# Allegro board RK3588S_Tablet_Demo_LP4XD200P232SD10H2_V11_20220218.brd (continued)
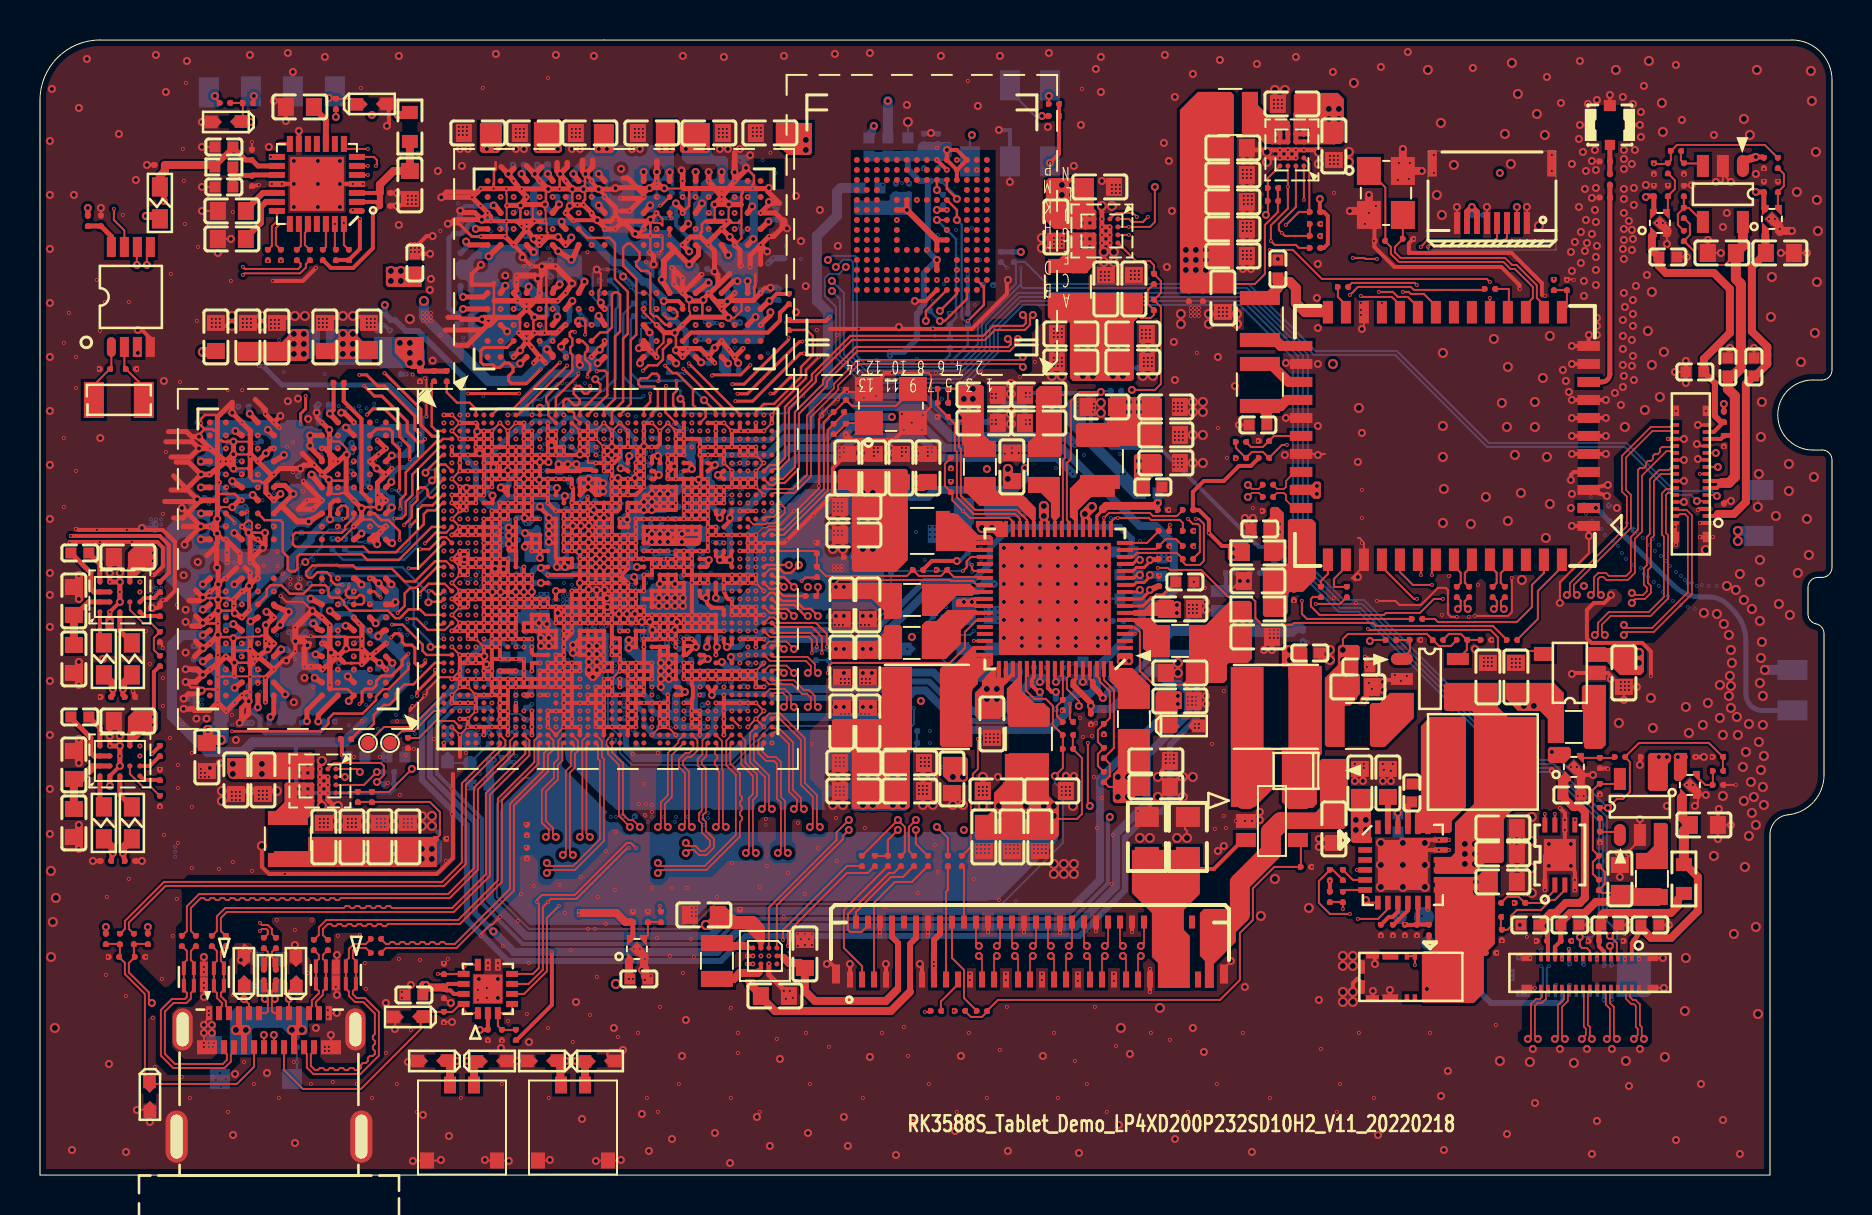
[diagram p0: board, top side]
## Routing (per net, layer and track width the routed paths; a pad name or vN(x,y) marks a point on that pad's centre or on a via; arc(x,y) is an arc through that point) (continued)
DDR_CH1_DQ0_C: length 9.4
  S03 w0.079: v1(27.79,37.6) 27.6,37.6 27.38,37.82 27.38,38.06 27.57,38.25 27.57,38.36 27.49,38.44 27.2,38.44 25.47,40.16 25.47,40.35 25.24,40.58 24.95,40.58 24.89,40.52 24.43,40.52 24.32,40.63 24.32,40.81 24.24,40.89 23.88,40.89 23.81,40.82 23.64,40.82 23.45,41.01 23.45,41.12 24,41.67 24,41.78 23.82,41.96 23.59,41.96 23.44,41.82 23.44,41.49 23.3,41.35 23.12,41.35 23.04,41.43 v1(23.04,41.67)
DDR_CH1_DQ0_D: length 12.8
  S03 w0.079: v1(29.39,38) 29.41,38.02 29.41,39.42 v2(29.46,39.46) ; v2(33.71,40.86) 33.75,40.89 34.37,40.89 35.13,41.65 v1(35.38,41.65)
  S08 w0.079: v2(29.46,39.46) 28.78,39.46 28.65,39.33 28.65,37.88 28.85,37.68 29.49,37.68 29.88,38.08 31.33,38.08 31.57,38.31 32.08,38.31 33.39,39.63 33.39,40.27 33.39,40.28 33.39,40.53 v2(33.71,40.86)
DDR_CH1_DQ1_C: length 12.1
  TOP w0.152: U3801.C2 23.35,41.38 22.2,41.38 22.04,41.22 22.04,40.64 22.17,40.51 22.65,40.51 22.78,40.38 22.99,40.38 23.22,40.6 23.44,40.6 23.65,40.39 23.65,40.17 23.43,39.94 23.43,39.73 23.57,39.58 24.33,39.58 v1(25.03,40.28)
  S03 w0.079: v1(25.03,40.28) 25.03,40.24 27.12,38.15 27.12,37.71 27.57,37.26 27.57,36.71 27.79,36.49 v1(27.79,36.4)
DDR_CH1_DQ1_D: length 12.9
  S03 w0.079: v1(29.79,37.2) v2(29.79,37.5) ; v1(34.73,41.7) 34.26,41.23 v2(34.23,41.23)
  S08 w0.079: v2(29.79,37.5) 30.11,37.82 31.46,37.82 31.63,37.99 33.01,37.99 33.09,38.07 33.09,38.16 33.17,38.24 33.33,38.24 33.41,38.16 33.41,38.07 33.49,37.99 34.27,37.99 34.35,38.07 34.35,38.24 34.27,38.31 33.68,38.31 33.6,38.39 33.6,38.55 33.68,38.63 34.27,38.63 34.35,38.71 34.35,38.87 34.27,38.94 33.55,38.94 33.47,39.02 33.47,39.18 33.55,39.26 34.27,39.26 34.35,39.34 34.35,39.5 34.27,39.57 34.01,39.57 33.93,39.65 33.93,39.81 34.01,39.89 34.21,39.89 34.29,39.97 34.29,40.15 34.09,40.35 34.09,41.09 v2(34.23,41.23)
DDR_CH1_DQ2_C: length 8.2
  S03 w0.079: v1(24.98,41.67) 24.97,41.65 24.4,41.65 24.33,41.57 24.33,41.37 24.4,41.29 24.89,41.29 25.99,40.2 v2(25.99,40.13) ; v2(26.85,39.47) 26.85,39.09 27.25,38.69 27.63,38.69 27.89,38.44 27.89,38.09 v1(27.79,38)
  S08 w0.079: v2(25.99,40.13) 25.76,40.36 25.65,40.36 25.36,40.06 25.36,39.95 26.12,39.19 26.35,39.19 26.64,39.47 v2(26.85,39.47)
DDR_CH1_DQ2_D: length 12
  S03 w0.079: v2(33.05,40.13) 33.37,40.45 33.37,41.62 v1(33.43,41.68) ; v1(29.39,37.6) 29.39,37.66 29.73,38 v2(29.73,38.68)
  S08 w0.079: v2(33.05,40.13) 33.05,39.79 32.98,39.71 32.17,39.71 31.99,39.89 31.88,39.89 31.77,39.78 31.77,39.67 32.03,39.41 32.03,39.3 31.92,39.19 31.81,39.19 31.67,39.32 31.56,39.32 31.45,39.21 31.45,39.09 31.58,38.96 31.58,38.71 31.21,38.33 29.78,38.33 29.38,37.93 28.99,37.93 28.91,38.01 28.91,38.29 28.99,38.37 29.08,38.37 29.16,38.45 29.16,38.6 29.08,38.68 28.99,38.68 28.91,38.76 28.91,39.08 28.99,39.16 29.26,39.16 v2(29.73,38.68)
DDR_CH1_DQ3_C: length 9.8
  S03 w0.079: v2(27.39,36.4) 27.39,36.4 v1(27.79,36) ; v2(25.74,40.98) 25.73,40.99 25.73,41.61 v1(25.63,41.7)
  S08 w0.079: v2(25.74,40.98) 26.5,40.22 26.74,40.22 27.19,39.77 27.19,39.39 27.25,39.33 27.25,39.18 27.17,39.11 26.69,39.11 26.62,39.03 26.62,38.87 26.69,38.79 27.17,38.79 27.25,38.71 27.25,38.55 27.17,38.48 26.69,38.48 26.62,38.4 26.62,38.24 26.69,38.16 27.17,38.16 27.25,38.08 27.25,37.97 26.62,37.34 26.62,36.53 26.79,36.36 27.35,36.36 v2(27.39,36.4)
DDR_CH1_DQ3_D: length 10.6
  S03 w0.079: v2(33.01,41.36) 32.78,41.59 v1(32.78,41.7) ; v2(31.09,38.69) 31.09,38.1 v1(30.99,38)
  S08 w0.079: v2(31.09,38.69) 31.09,39.2 31.43,39.54 31.43,40.14 31.5,40.22 31.95,40.22 32.2,40.47 32.2,40.82 32.13,40.9 31.52,40.9 31.43,41 31.43,41.43 31.5,41.51 31.62,41.51 31.7,41.59 31.7,41.72 31.62,41.8 31.38,41.8 31.19,41.99 31.19,42.54 31.42,42.76 32,42.76 32.09,42.67 32.09,42 32.17,41.92 32.34,41.92 32.42,41.84 32.42,41.69 32.34,41.61 32.26,41.61 32.18,41.53 32.18,41.32 32.26,41.24 32.47,41.24 32.59,41.36 v2(33.01,41.36)
DDR_CH1_DQ4_C: length 12.6
  S03 w0.079: v1(25.63,43.3) 25.56,43.3 25.4,43.46 25.27,43.46 25.09,43.65 24.58,43.65 24.18,44.05 22.58,44.05 22.3,43.77 22.3,43.11 22.52,42.89 22.52,41.21 23.73,40.01 24.54,40.01 26.55,37.99 26.55,37.24 v1(26.59,37.2)
DDR_CH1_DQ4_D: length 13.1
  S03 w0.079: v1(29.79,36.8) 29.92,36.93 v2(30.1,36.93) ; v1(32.78,43.3) 32.76,43.28 v2(32.48,43.28)
  S08 w0.079: v2(30.1,36.93) 29.85,36.93 29.53,37.26 28.83,37.26 28.39,37.69 28.39,39.72 28.47,39.8 28.95,39.8 29.03,39.88 29.03,40.03 28.95,40.11 28.47,40.11 28.39,40.19 28.39,40.58 28.57,40.76 28.68,40.76 29.01,40.43 29.12,40.43 29.23,40.54 29.23,40.66 28.91,40.98 28.91,41.09 29.34,41.53 29.34,41.8 30.05,42.5 30.43,42.5 31.2,43.28 v2(32.48,43.28)
DDR_CH1_DQ5_C: length 8.9
  S03 w0.079: v2(25.76,37.59) 25.81,37.59 v1(26.19,37.2) ; v2(25.2,43.09) v1(24.98,43.3)
  S08 w0.079: v2(25.76,37.59) 26.24,38.06 26.24,38.69 24.35,40.58 24.35,41.2 24.44,41.3 24.85,41.3 25.19,41.65 25.73,41.65 25.92,41.84 25.92,42.36 v2(25.2,43.09)
DDR_CH1_DQ5_D: length 11.6
  S03 w0.079: v1(30.99,37.6) 30.23,38.36 30.23,39.33 30.05,39.52 v2(30.05,39.71) ; v2(33.64,43.56) v1(33.43,43.35)
  S08 w0.079: v2(33.64,43.56) 33.67,43.59 33.67,43.76 33.28,44.15 32.97,44.15 32.83,44.02 32.83,43.53 32.97,43.39 32.97,43.14 32.71,42.88 32.39,42.88 32.25,43.02 31.31,43.02 30.93,42.64 30.93,42 30.71,41.77 29.82,41.77 29.6,41.55 29.6,40.45 30.05,40 v2(30.05,39.71)
DDR_CH1_DQ6_C: length 11.1
  S03 w0.079: v1(26.59,36.8) 26.81,37.02 26.81,38.1 24.65,40.26 23.84,40.26 22.78,41.32 22.78,42.48 23.28,42.98 23.28,43.69 23.36,43.77 24,43.77 24.08,43.69 24.08,43.28 24,43.2 23.78,43.2 v1(23.68,43.3)
DDR_CH1_DQ6_D: length 13.4
  TOP w0.152: v1(33.6,39.96) 33.64,40.01 35.03,40.01 v1(35.52,40.5)
  S03 w0.079: v1(30.59,37.2) 30.77,37.38 31.08,37.38 31.32,37.61 31.32,37.8 31.44,37.93 31.44,38.95 32.28,39.79 33.43,39.79 v1(33.6,39.96) ; v1(34.77,43.33) 34.71,43.27 34.24,43.27 34.05,43.45 34.05,43.97 34.2,44.12 34.51,44.12 35.12,43.51 35.12,42.76 36.09,41.79 36.09,41.03 35.57,40.5 v1(35.52,40.5)
DDR_CH1_DQ7_C: length 11.3
  S03 w0.079: v2(26.11,36.51) 26.19,36.59 v1(26.19,36.8) ; v1(23.03,43.3) 22.87,43.14 v2(22.76,43.14)
  S08 w0.079: v2(26.11,36.51) 25.55,37.06 22.43,37.06 21.89,37.6 21.89,37.81 21.79,37.91 21.79,41.74 22.76,42.71 v2(22.76,43.14)
DDR_CH1_DQ7_D: length 12.8
  S03 w0.079: v1(31.39,37.2) 31.39,37.28 31.57,37.45 31.57,37.68 31.7,37.81 31.7,38.94 32.33,39.57 33.58,39.57 34.24,40.24 35.73,40.24 36.49,41.01 36.49,41.75 36.03,42.21 36.03,42.65 36.15,42.77 36.15,43.92 35.95,44.12 35.62,44.12 35.54,44.04 35.54,43.88 35.62,43.8 35.81,43.8 35.89,43.73 35.89,43.38 35.81,43.3 v1(35.38,43.3)
DDR_CH1_DQ8_C: length 15.7
  S03 w0.079: v1(23.03,48.9) 22.64,48.9 20.17,46.43 20.17,42.73 20.77,42.12 20.77,40.62 21.2,40.2 21.2,39.67 21.85,39.01 21.85,37.87 22.01,37.71 22.01,37.48 22.45,37.04 23.56,37.04 v1(23.79,36.8)
DDR_CH1_DQ8_D: length 17.2
  TOP w0.152: v1(37.66,39.89) 37.51,39.89 36.69,39.07 v1(36.52,39.07)
  S03 w0.079: v1(37.66,39.89) 37.84,39.89 38.91,40.95 38.91,44.39 38.2,45.1 38.2,46.03 37.03,47.2 37.03,48.01 36.8,48.24 36.63,48.24 36.36,48.24 35.69,48.9 v1(35.38,48.9) ; v1(36.52,39.07) 36.01,39.07 35.54,38.6 35.33,38.6 34.31,37.58 34.04,37.58 33.79,37.33 33.79,37.2 v1(33.39,36.8)
DDR_CH1_DQ9_C: length 15.2
  S03 w0.079: v1(23.68,48.9) 22.81,48.03 22.81,47.68 20.68,45.55 20.68,45.38 20.76,45.31 20.82,45.31 20.9,45.23 20.9,45.07 20.82,44.99 20.76,44.99 20.68,44.91 20.68,44.75 20.76,44.68 20.82,44.68 20.9,44.6 20.9,44.44 20.82,44.36 20.76,44.36 20.68,44.28 20.68,42.97 21.75,41.9 21.75,40.89 21.96,40.68 21.96,39.77 22.41,39.33 22.93,39.33 23.19,39.07 23.64,39.07 24.23,38.48 24.23,38.03 24.59,37.67 v1(24.59,37.6)
DDR_CH1_DQ9_D: length 20.4
  S03 w0.064: v2(31.7,36.73) 31.62,36.8 v1(31.39,36.8)
  S03 w0.079: v2(34.96,48.67) v1(34.73,48.9)
  S08 w0.079: v2(31.7,36.73) 31.7,36.72 32.24,36.72 32.84,37.32 34.08,37.32 34.53,36.88 36.74,36.88 37.86,38 37.86,38.25 38.49,38.89 38.49,40.1 38.89,40.5 38.89,44.33 34.96,48.25 v2(34.96,48.67)
DDR_CH1_DQ10_C: length 18.3
  TOP w0.152: v1(23.95,39.07) v1(21.41,39.07)
  S03 w0.079: v1(23.95,39.07) 24.46,38.57 24.46,38.14 v1(24.59,38) ; v1(21.41,39.07) 20.94,39.54 20.94,40.09 20.52,40.51 20.52,42.02 19.91,42.62 19.91,46.52 22.63,49.23 23.82,49.23 24.15,48.9 v1(24.98,48.9)
DDR_CH1_DQ10_D: length 20.8
  S03 w0.079: v1(31.39,36.41) 31.82,36.41 32.11,36.7 32.11,37.64 31.95,37.8 31.95,38.29 32.99,39.33 33.69,39.33 34.35,39.98 35.84,39.98 36.84,40.99 36.84,43.87 36.69,44.02 36.42,44.02 36.06,44.38 34.55,44.38 34.34,44.59 34.34,45.05 33.6,45.79 33.6,45.92 32.1,47.43 32.09,47.43 32.09,47.69 32.42,48.02 32.42,48.97 32.62,49.17 33.16,49.17 v1(33.43,48.9)
DDR_CH1_DQ11_C: length 16.4
  S03 w0.079: v1(23.79,37.2) 24.01,37.42 24.01,37.69 23.82,37.89 23.82,38.19 23.44,38.57 23.04,38.57 22.82,38.79 22.4,38.79 21.45,39.74 21.45,40.46 v2(21.16,40.76) ; v2(25.6,48.17) 25.6,48.87 v1(25.63,48.9)
  S08 w0.079: v2(21.16,40.76) 21.54,41.14 21.54,42.84 21.92,43.23 21.92,43.52 22.37,43.97 22.86,43.97 22.98,43.85 23.67,43.85 23.95,44.13 23.95,44.41 24.75,45.22 24.75,45.57 25.1,45.92 25.1,46.7 25.74,47.34 25.74,47.78 25.6,47.92 v2(25.6,48.17)
DDR_CH1_DQ11_D: length 18.6
  S03 w0.079: v1(32.78,48.9) 32.68,48.8 32.68,47.78 33.18,47.28 33.18,47.15 33.99,46.33 34.74,46.33 35.96,45.11 36.37,45.11 37.09,44.39 37.09,40.88 36,39.79 34.47,39.79 33.77,39.09 33.09,39.09 32.53,38.53 32.43,38.53 32.2,38.3 32.2,37.93 32.33,37.8 32.33,36.67 v1(32.59,36.4)
DDR_CH1_DQ12_C: length 13.6
  S03 w0.079: v1(24.99,37.2) 24.81,37.38 24.81,38.09 24.67,38.23 24.67,38.86 24.2,39.33 23.31,39.33 22.43,40.22 v2(22.31,40.22) ; v1(25.63,47.3) 25.63,47.11 25.39,46.86 25.39,46.65 25.47,46.57 25.47,46.31 25.34,46.18 25.34,45.94 v2(25.44,45.84)
  S08 w0.079: v2(25.44,45.84) 25.44,44.76 24.58,43.9 24.2,43.9 23.19,42.88 23.19,42.63 22.31,41.75 v2(22.31,40.22)
DDR_CH1_DQ12_D: length 15.8
  S03 w0.079: v2(37.78,42.64) 37.78,41.85 37.35,41.42 37.35,40.77 36.16,39.58 35.13,39.58 34.84,39.3 34.67,39.3 33.93,38.57 33.82,38.57 32.86,37.6 v1(32.59,37.6) ; v1(32.78,47.3) 32.78,47.18 33.98,45.98 33.98,45.79 34.62,45.15 35.56,45.15 35.94,44.77 v2(36.23,44.77)
  S08 w0.079: v2(37.78,42.64) 37.41,43.01 37.41,43.95 36.6,44.77 v2(36.23,44.77)
DDR_CH1_DQ13_C: length 17.4
  S03 w0.079: v2(23.7,45.42) 23.7,46.19 24.2,46.69 24.2,46.82 24.58,47.2 24.93,47.2 v1(24.98,47.25) ; v2(24.64,36.61) 24.85,36.4 v1(24.99,36.4)
  S08 w0.079: v2(23.7,45.42) 23.7,44.3 23.49,44.1 23.09,44.1 22.96,44.23 22.26,44.23 21.66,43.63 21.66,43.33 20.81,42.48 20.81,40.56 21.41,39.96 21.41,37.93 21.65,37.69 21.65,37.42 21.54,37.31 21.54,37.3 21.49,37.26 21.49,37 21.84,36.66 22.68,36.66 22.96,36.38 23.7,36.38 23.93,36.62 24.63,36.62 v2(24.64,36.61)
DDR_CH1_DQ13_D: length 16.1
  S03 w0.079: v2(36.08,45.76) 35.68,45.76 34.85,46.58 34.1,46.58 v1(33.43,47.25) ; v1(33.39,37.2) 34,37.8 34.23,37.8 35.24,38.82 35.38,38.82 35.89,39.33 36.27,39.33 37.72,40.78 38.36,40.78 38.67,41.09 38.67,43.56 v2(38.28,43.94)
  S08 w0.079: v2(38.28,43.94) 37.9,43.94 v2(36.08,45.76)
DDR_CH1_DQ14_C: length 14.2
  S03 w0.079: v1(23.68,47.3) 23.95,47.04 23.95,46.82 23.17,46.04 23.17,45.93 23.31,45.79 23.31,45.68 23.2,45.57 23.09,45.57 22.95,45.71 22.84,45.71 22.73,45.6 22.73,45.49 22.87,45.34 22.87,45.23 22.76,45.12 22.65,45.12 22.5,45.26 22.39,45.26 22.28,45.15 22.28,45.04 22.42,44.9 22.42,44.79 22.31,44.67 22.2,44.67 22.06,44.82 21.95,44.82 21.78,44.65 21.78,42.67 21.79,42.66 21.79,42.65 22.27,42.17 22.27,41.11 23.59,39.79 24.42,39.79 v1(26.19,38)
DDR_CH1_DQ14_D: length 15.4
  TOP w0.152: v1(34.87,39.06) 35.37,39.06 37.98,41.67 v1(38.12,41.67)
  S03 w0.079: v1(34.73,47.3) 34.99,47.56 35.8,47.56 37.69,45.67 37.69,43.7 38.12,43.26 v1(38.12,41.67) ; v1(34.87,39.06) 34.73,39.06 33.98,38.31 33.88,38.31 32.99,37.42 32.81,37.42 v1(32.59,37.2)
DDR_CH1_DQ15_C: length 15
  S03 w0.079: v1(22.96,47.31) 23.03,47.23 23.03,46.85 22.88,46.7 22.77,46.7 22.61,46.85 22.5,46.85 22.39,46.74 22.39,46.63 22.45,46.57 22.45,46.46 22.34,46.35 22.23,46.35 22.17,46.41 22.06,46.41 21.95,46.3 21.95,46.19 22,46.13 22,46.02 21.89,45.91 21.78,45.91 21.72,45.96 21.61,45.96 21.53,45.88 21.53,45.49 21.45,45.41 21.24,45.41 21.16,45.33 21.16,45.18 21.24,45.1 21.45,45.1 21.53,45.02 21.53,44.86 21.45,44.78 21.24,44.78 21.16,44.7 21.16,44.55 21.24,44.47 21.45,44.47 21.53,44.39 21.53,42.55 22.01,42.07 22.01,41 23.43,39.58 24.33,39.58 25.97,37.94 25.97,37.82 v1(26.19,37.6)
DDR_CH1_DQ15_D: length 14.7
  TOP w0.152: v1(37.43,41.87) 37.43,41.77 35.21,39.54 v1(34.62,39.54)
  S03 w0.079: v1(34.62,39.54) 34.58,39.54 33.86,38.82 33.73,38.82 32.91,38 v1(32.59,38) ; v1(35.38,47.3) 35.69,47.3 36.91,46.09 36.91,45.98 36.57,45.65 36.57,45.53 36.68,45.42 36.79,45.42 37.13,45.76 37.24,45.76 37.35,45.65 37.35,45.26 37.27,45.18 36.98,45.18 36.9,45.1 36.9,44.95 36.98,44.87 37.27,44.87 37.43,44.71 v1(37.43,41.87)
DDR_CH1_DQS0N_C: length 7.5
  S03 w0.064: v2(22.61,37.7) 22.81,37.89 22.96,37.89 23.14,37.72 23.29,37.72 23.33,37.72 23.39,37.65 v1(23.39,37.6) ; v2(25.09,42.24) 25.01,42.32 v1(25.01,42.53)
  S08 w0.064: v2(25.09,42.24) 24.9,42.04 24.9,41.91 24.71,41.73 24.04,41.73 23.36,41.05 23.36,40.29 23.47,40.19 23.47,39.99 23.36,39.89 23.36,38.32 22.95,37.91 22.83,37.91 v2(22.61,37.7)
DDR_CH1_DQS0N_D: length 7.6
  S03 w0.064: v2(33.64,42.24) 33.46,42.42 v1(33.46,42.53) ; v1(36.19,38) 36.26,38.07 v2(36.5,38.07)
  S08 w0.064: v2(33.64,42.24) 33.74,42.24 33.92,42.06 33.92,41.97 34.11,41.78 34.43,41.78 34.58,41.62 35.54,41.62 36.33,40.83 36.33,38.81 36.86,38.29 36.86,37.94 36.79,37.88 36.7,37.88 v2(36.5,38.07)
DDR_CH1_DQS0P_C: length 7.1
  S03 w0.064: v1(23.39,38) 23.39,37.95 23.33,37.89 23.21,37.89 23.03,38.07 22.81,38.07 v2(22.61,38.26) ; v2(24.53,42.24) 24.36,42.41 v1(24.36,42.53)
  S08 w0.064: v2(24.53,42.24) 24.72,42.04 24.72,41.98 24.64,41.9 23.96,41.9 23.19,41.13 23.19,38.4 22.88,38.09 22.79,38.09 v2(22.61,38.26)
DDR_CH1_DQS0P_D: length 7.7
  S03 w0.064: v2(36.5,37.51) 36.29,37.51 v1(36.19,37.6) ; v1(34.11,42.53) 34.12,42.52 34.12,42.32 v2(34.2,42.24)
  S08 w0.064: v2(34.2,42.24) 34.09,42.13 34.09,42.04 34.18,41.95 34.5,41.95 34.66,41.79 35.61,41.79 36.51,40.9 36.51,38.89 37.03,38.36 37.03,37.87 36.87,37.7 36.7,37.7 v2(36.5,37.51)
DDR_CH1_DQS1N_C: length 13.7
  S03 w0.064: v1(21.39,38) 21.28,38.12 21.28,38.31 21.11,38.48 20.92,38.48 20.22,39.18 20.22,39.32 20.28,39.39 v2(20.4,39.39) ; v2(24.94,47.85) 24.94,48.11 v1(24.98,48.15)
  S08 w0.064: v2(24.94,47.85) 24.84,47.85 24.69,47.7 24.69,47.45 24.25,47 24.25,46.75 22.37,44.87 21.35,44.87 21.22,44.74 21.22,44.58 21.08,44.45 20.93,44.45 20.2,43.72 20.2,39.59 v2(20.4,39.39)
DDR_CH1_DQS1N_D: length 15.1
  S03 w0.064: v1(33.46,48.13) 33.5,48.09 v2(33.5,47.82) ; v2(37.17,39.1) 37.36,38.91 37.36,38.82 37.25,38.71 36.76,38.71 36.1,38.71 35.44,38.05 35.2,38.05 34.36,37.2 v1(34.19,37.2)
  S08 w0.064: v2(33.5,47.82) 33.7,47.63 33.7,45.68 33.75,45.63 34.06,45.31 34.06,44.45 34.82,43.69 34.82,42.85 35.53,42.15 35.74,42.15 37.37,40.52 37.37,39.3 v2(37.17,39.1)
DDR_CH1_DQS1P_C: length 13.5
  S03 w0.064: v2(24.37,47.85) 24.37,48.11 v1(24.33,48.15) ; v1(20.99,38) 21.11,38.12 21.11,38.24 21.04,38.31 20.84,38.31 20.05,39.11 20.05,39.29 19.95,39.39 v2(19.84,39.39)
  S08 w0.064: v2(24.37,47.85) 24.52,47.7 24.52,47.52 24.08,47.08 24.08,46.82 22.3,45.04 21.28,45.04 20.03,43.79 20.03,39.58 v2(19.84,39.39)
DDR_CH1_DQS1P_D: length 15.4
  S03 w0.064: v2(37.74,39.1) 37.54,38.91 37.54,38.75 37.32,38.54 36.83,38.54 36.17,38.54 35.51,37.88 35.27,37.88 34.42,37.02 34.41,37.02 v1(34.19,36.8) ; v2(34.06,47.82) 34.06,48.09 v1(34.11,48.13)
  S08 w0.064: v2(34.06,47.82) 33.87,47.63 33.87,45.75 34.23,45.39 34.23,44.52 34.99,43.76 34.99,42.92 35.6,42.32 35.81,42.32 37.54,40.59 37.54,39.3 v2(37.74,39.1)
DDR_CH1_LP4/4X_CKE0_C: length 7.1
  TOP w0.122: U1000.A18 26.99,38.15 28.01,39.17 28.01,39.54 v5(27.76,39.79)
  BOTTOM w0.122: R3814.1 28.49,43.54 28.39,43.44 28.39,40.12 28.06,39.79 v5(27.76,39.79)
DDR_CH1_LP4/4X_CKE0_D: length 8.1
  TOP w0.122: v5(33.2,38.74) 33.79,38.15 U1000.A35
  BOTTOM w0.122: R3816.2 29.54,42.78 29.54,40.09 29.92,39.71 32.24,39.71 v5(33.2,38.74)
DDR_CH1_LP4/4X_CKE1_C: length 9.9
  TOP w0.127: v5(24.99,38.36) U1000.A13
  BOTTOM w0.122: v5(24.99,38.36) 25.14,38.36 25.99,39.21 28.18,39.21 28.78,39.81 28.78,43.28 28.9,43.41 28.9,44.31 R3815.1
DDR_CH1_LP4/4X_CKE1_D: length 8.3
  TOP w0.122: v5(32.02,38.81) 32.19,38.63 U1000.A31
  BOTTOM w0.122: R3817.2 29.16,43.04 29.16,39.93 29.76,39.33 31.89,39.33 32.02,39.2 v5(32.02,38.81)
DDR_CH1_LP4/4X_CS0_C: length 10.2
  TOP w0.102: 25.49,37.9 U1000.B15
  TOP w0.122: 25.49,37.9 25.41,37.98 25.41,38.57 25.31,38.67 25.31,38.91 26.62,40.22 26.62,41.01 26.52,41.11 26.52,41.39 26.62,41.49 26.62,41.81 26.49,41.94 26.49,42.12 26.56,42.19 26.7,42.19 v1(26.74,42.15)
  S03 w0.064: v1(26.93,43.3) 26.98,43.35 26.98,43.88 27.07,43.97 27.07,44.08 26.85,44.3 26.77,44.3 26.73,44.27 26.45,44.27 26.4,44.21 26.4,44.13 26.46,44.07 26.46,44 26.4,43.94 26.32,43.94 26.26,44 26.19,44 26.11,43.92 26.11,43.77 26.74,43.13 26.74,42.88 26.65,42.78 26.65,42.63 26.7,42.57 26.7,42.43 26.65,42.38 26.65,42.24 v1(26.74,42.15)
DDR_CH1_LP4/4X_CS0_D: length 11.2
  TOP w0.102: 31.49,37.9 U1000.B30
  TOP w0.122: 31.49,37.9 31.27,38.12 31.27,39.43 v1(31.3,39.45) ; U3801.R4 31.51,43.33 31.68,43.33 31.87,43.14 31.87,42.94 31.74,42.82 31.38,42.82 31.21,42.99 v1(31.21,43.04)
  S03 w0.064: v1(31.3,39.46) 31.24,39.52 31.15,39.52 31.08,39.46 31.08,39.09 31.15,39.03 31.27,39.03 31.61,39.37 31.61,39.84 31.66,39.89 31.66,39.98 31.55,40.09 31.44,40.09 31.38,40.03 31.38,39.78 31.32,39.72 31.21,39.72 31.13,39.8 31.13,40.03 30.99,40.17 30.99,40.8 31.04,40.85 31.04,41.77 31,41.81 31,42.36 30.91,42.45 30.91,42.54 30.98,42.6 31.16,42.6 31.21,42.66 31.21,42.74 31.16,42.79 30.91,42.79 30.83,42.87 30.83,43.04 31.11,43.32 31.22,43.32 31.28,43.25 31.28,43.1 v1(31.21,43.04)
DDR_CH1_LP4/4X_CS1_C: length 8.4
  TOP w0.122: U1000.A19 27.39,38.01 28.37,38.99 28.37,40.09 28.24,40.22 27.88,40.22 v1(27.84,40.18) ; U3801.H3 26.87,42.5 26.77,42.6 26.77,42.74 26.87,42.84 27.15,42.84 27.27,42.72 27.27,42.04 v1(27.25,42.02)
  S03 w0.064: v1(27.84,40.18) 27.79,40.13 27.62,40.13 27.56,40.2 27.56,40.69 27.38,40.86 27.38,41 27.45,41.06 27.59,41.06 27.68,41.15 27.68,41.47 27.85,41.65 27.94,41.65 28,41.71 28,41.84 27.94,41.9 27.62,41.9 27.56,41.97 27.56,42.17 27.44,42.29 27.32,42.29 27.25,42.21 v1(27.25,42.02)
DDR_CH1_LP4/4X_CS1_D: length 14.8
  TOP w0.122: U1000.A23 28.99,38.01 29.54,38.56 29.54,41.74 29.82,42.02 29.82,44.8 29.16,45.46 29.16,46.36 29.36,46.56 29.54,46.56 29.98,46.12 29.98,45.8 29.81,45.64 29.81,45.46 30.06,45.2 30.38,45.2 30.52,45.07 30.52,43.1 30.68,42.94 30.84,42.94 31.28,42.5 U3801.R3
DDR_RESET: length 64.6
  TOP w0.122: v1(19.89,27.52) 20.11,27.52 U1000.AG1 ; v1(9.6,22.18) 14.04,22.18 14.42,22.56 14.42,22.82 14.68,23.07 16.13,23.07 16.8,23.74 16.8,23.93 17.16,24.29 17.42,24.29 18.42,25.29 v1(18.42,25.55)
  S03 w0.064: v1(32.13,48.9) 32.13,49.16 v2(32,49.29) 31.59,49.7 29.02,49.7 27.97,50.76 22.9,50.76 19.05,46.91 19.05,44.26 17.27,42.49 12.22,42.49 11.76,42.03 11.76,41.23 10,39.48 9.11,39.48 8.34,38.71 8.34,36.19 8.55,35.98 8.55,35.3 8.71,35.15 8.71,33.83 8.91,33.63 v2(8.91,33.6) ; v2(8.91,33.6) 9.16,33.6 v1(9.29,33.73) ; v2(8.91,33.6) 8.82,33.6 8.42,33.2 8.42,30.51 7.68,29.76 7.68,24.1 v1(9.6,22.18) ; v1(18.42,25.55) 18.65,25.78 18.65,26.67 19.5,27.52 v1(19.89,27.52)
  S08 w0.1: v2(32,49.29) v3(32.14,49.04) ; v2(8.91,33.6) v3(8.71,33.81)
EMMC_CLKOUT: length 29.9
  TOP w0.122: R1309.2 38.89,29.05 v5(38.89,29.4) ; U4000.M6 v5(44.84,49.25)
  S08 w0.064: v5(44.84,49.25) 43.94,48.35 43.94,48 44.14,47.8 44.36,47.8 44.44,47.73 44.44,47.48 44.36,47.4 43.4,47.4 43.29,47.3 43.29,47.11 43.82,46.58 43.82,44.22 44.44,43.6 45.24,43.6 45.64,43.2 45.64,42.43 44.92,41.7 43.24,41.7 42.94,41.4 42.94,35.25 43.09,35.1 43.09,30.91 42.18,30 39.49,30 v5(38.89,29.4)
  BOTTOM w0.122: v5(44.84,49.25) 45.09,49 C9634.2
EMMC_CMD: length 34
  TOP w0.122: v5(45.84,48.8) 45.34,49.3 U4000.M5 ; v5(37.69,27.95) 37.34,28.3 36.69,28.3 U1000.AE42
  S08 w0.064: v5(37.69,27.95) 38.64,27 43.19,27 45.49,29.3 45.49,32.15 46.84,33.5 46.84,34.45 46.85,34.45 46.85,35 46.84,35 46.84,35.45 47.69,36.3 47.69,46.95 v5(45.84,48.8)
  BOTTOM w0.122: v5(45.84,48.8) 45.84,48.9 R4003.2
EMMC_D0: length 31.7
  TOP w0.122: v5(44.99,42.7) 45.24,42.7 46.34,43.8 U4000.A3 ; v5(37.44,30.5) 36.29,30.5 U1000.Y41
  S08 w0.064: v5(44.99,42.7) 44.64,42.35 43.99,42.35 43.09,43.25 43.09,46.15 42.99,46.25 42.29,46.25 42.14,46.1 42.14,41.9 41.74,41.5 41.74,35.26 42.49,34.51 42.49,31.16 41.93,30.6 38.82,30.6 38.37,30.15 37.79,30.15 v5(37.44,30.5)
  BOTTOM w0.122: v5(44.99,42.7) 44.98,42.7 44.49,43.19 R4002.2
EMMC_D1: length 31.4
  TOP w0.122: U4000.A4 45.84,44.05 v5(44.99,43.2)
  S03 w0.064: v1(35.79,30.4) 36.84,30.4 v2(36.94,30.5)
  S08 w0.064: v5(44.99,43.2) 45.34,42.85 45.34,42.55 44.79,42 43.89,42 42.79,43.1 42.79,45.7 42.69,45.8 42.54,45.8 42.44,45.7 42.44,41.75 42.04,41.35 42.04,35.39 42.79,34.64 42.79,31.04 42.06,30.3 38.94,30.3 38.49,29.85 37.59,29.85 v2(36.94,30.5)
EMMC_D2: length 31.2
  TOP w0.1: U1000.AA41 36.49,30.3
  TOP w0.122: v5(37.94,30.5) 37.54,30.1 37.19,30.1 36.99,30.3 36.49,30.3 ; U4000.A5 44.29,43.2 v5(44.29,42.7)
  S08 w0.064: v5(37.94,30.5) 38.34,30.9 41.81,30.9 42.19,31.29 42.19,34.3 41.44,35.05 41.44,41.65 41.84,42.05 41.84,46.5 41.99,46.65 43.19,46.65 43.39,46.45 43.39,43.4 43.54,43.25 44.49,43.25 44.64,43.1 44.64,42.85 44.49,42.7 v5(44.29,42.7)
EMMC_D3: length 31.2
  TOP w0.122: v1(46.39,42.7) 47.19,43.5 47.19,44.4 U4000.B2 ; U1000.AA42 36.69,29.9 37.19,29.9 v5(37.69,29.4)
  S03 w0.1: v1(46.39,42.7) v2(46.09,42.7) 46.04,42.7
  S08 w0.064: v5(37.69,29.4) 38.09,29 42.99,29 43.99,30 43.99,33.6 44.44,34.05 44.44,36.78 44.37,36.85 44.17,36.85 44.1,36.93 44.1,37.08 44.17,37.15 44.36,37.15 44.43,37.23 44.43,37.38 44.36,37.45 43.94,37.45 43.87,37.53 43.87,37.68 43.94,37.75 44.36,37.75 44.43,37.83 44.43,37.98 44.36,38.05 43.94,38.05 43.87,38.13 43.87,38.28 43.94,38.35 44.36,38.35 44.43,38.43 44.43,38.58 44.36,38.65 43.94,38.65 43.87,38.73 43.87,38.88 43.94,38.95 44.36,38.95 44.43,39.03 44.43,39.18 44.36,39.25 44.24,39.25 44.17,39.33 44.17,39.48 44.24,39.55 44.32,39.55 44.4,39.63 44.4,39.95 44.5,40.05 45.72,40.05 46.19,40.53 46.19,40.93 46.12,41 45.69,41 45.61,41.08 45.61,41.23 45.69,41.3 46.1,41.3 46.18,41.38 46.18,41.53 46.1,41.6 45.6,41.6 45.53,41.68 45.53,41.83 45.6,41.9 46.02,41.9 46.09,41.98 46.09,42.25 46.09,42.25 v2(46.09,42.7)
EMMC_D4: length 31.5
  TOP w0.122: U1000.AB42 36.99,29.6 v5(37.19,29.4)
  S03 w0.1: v1(46.34,44.75) 46.34,43.45 v2(46.09,43.2)
  S08 w0.064: v2(46.09,43.2) 46.49,42.8 46.49,40.4 45.84,39.75 44.84,39.75 44.74,39.65 44.74,39.4 44.84,39.3 45.24,39.3 45.32,39.23 45.32,39.03 45.25,38.95 44.82,38.95 44.75,38.88 44.75,38.73 44.82,38.65 45.25,38.65 45.32,38.58 45.32,38.43 45.25,38.35 44.82,38.35 44.75,38.28 44.75,38.13 44.82,38.05 45.25,38.05 45.32,37.98 45.32,37.83 45.25,37.75 44.82,37.75 44.75,37.68 44.75,37.53 44.82,37.45 45.25,37.45 45.32,37.38 45.32,37.23 45.25,37.15 44.82,37.15 44.74,37.08 44.74,36.9 44.84,36.8 45.19,36.8 45.29,36.7 45.29,36.55 45.19,36.45 44.84,36.45 44.74,36.35 44.74,33.9 44.29,33.45 44.29,29.8 43.15,28.65 36.69,28.65 36.59,28.75 36.59,28.9 36.69,29 37.09,29 37.19,29.1 v5(37.19,29.4)
EMMC_D5: length 31.6
  TOP w0.122: U1000.AD42 36.6,28.8 36.9,28.5 37.71,28.5 38.26,27.95 v5(38.39,27.95)
  S03 w0.1: v2(45.84,44.45) v1(45.84,44.75)
  S08 w0.064: v2(45.84,44.45) 46.19,44.45 47.39,43.25 47.39,36.43 46.97,36 46.79,36 46.54,36.25 46.39,36.25 46.29,36.15 46.29,35.95 46.54,35.7 46.54,35.23 46.47,35.15 45.74,35.15 45.67,35.08 45.67,34.93 45.74,34.85 46.43,34.85 46.51,34.78 46.51,34.63 46.43,34.55 45.73,34.55 45.65,34.48 45.65,34.33 45.73,34.25 46.43,34.25 46.51,34.18 46.51,34.03 46.43,33.95 45.73,33.95 45.64,33.87 45.64,33.45 45.19,33 45.19,29.43 43.07,27.3 39.04,27.3 v5(38.39,27.95)
EMMC_D6: length 31.8
  TOP w0.1: U1000.AD41 36.49,29.1
  TOP w0.122: 36.49,29.1 36.7,29.1 37.1,28.7 37.79,28.7 38.19,28.3 38.54,28.3 v5(38.89,27.95)
  S03 w0.1: v2(45.34,44.45) v1(45.34,44.75)
  S08 w0.064: v2(45.34,44.45) 45.89,43.9 46.32,43.9 47.09,43.13 47.09,37.28 47.02,37.2 46.02,37.2 45.95,37.13 45.95,36.98 46.02,36.9 47,36.9 47.07,36.83 47.07,36.68 47,36.6 46.03,36.6 45.94,36.52 45.94,36.29 45.77,36.12 45.77,36.01 46.09,35.7 46.09,35.59 45.98,35.48 45.88,35.48 45.55,35.81 45.45,35.81 45.34,35.7 45.34,33.6 44.89,33.15 44.89,29.55 43.39,28.05 43.39,28.05 42.74,28.05 42.64,27.95 42.64,27.7 42.54,27.6 42.39,27.6 42.29,27.7 42.29,27.95 42.19,28.05 42.04,28.05 41.94,27.95 41.94,27.7 41.84,27.6 39.24,27.6 v5(38.89,27.95)
EMMC_D7: length 32.8
  TOP w0.1: U1000.AE41 36.49,28.1
  TOP w0.122: v5(37.19,27.95) 37.04,28.1 36.49,28.1
  S03 w0.1: v2(44.84,44.45) v1(44.84,44.75)
  S08 w0.064: v5(37.19,27.95) 37.19,28.25 37.29,28.35 43.27,28.35 44.59,29.68 44.59,33.3 45.04,33.75 45.04,35.85 45.62,36.43 45.62,37.48 45.7,37.55 46.7,37.55 46.77,37.63 46.77,37.78 46.7,37.85 45.72,37.85 45.64,37.93 45.64,39 46.79,40.15 46.79,43 46.19,43.6 45.69,43.6 45.39,43.9 44.64,43.9 44.14,44.4 44.14,45.25 44.24,45.35 44.94,45.35 45.04,45.25 45.04,45.1 44.94,45 44.54,45 44.44,44.9 44.44,44.55 44.54,44.45 v2(44.84,44.45)